# KiCad board TooManyKeys_fulldraft1.kicad_pcb
title: toomanykeys; date: 2025-06-05; rev: 0.1; company: huntercook
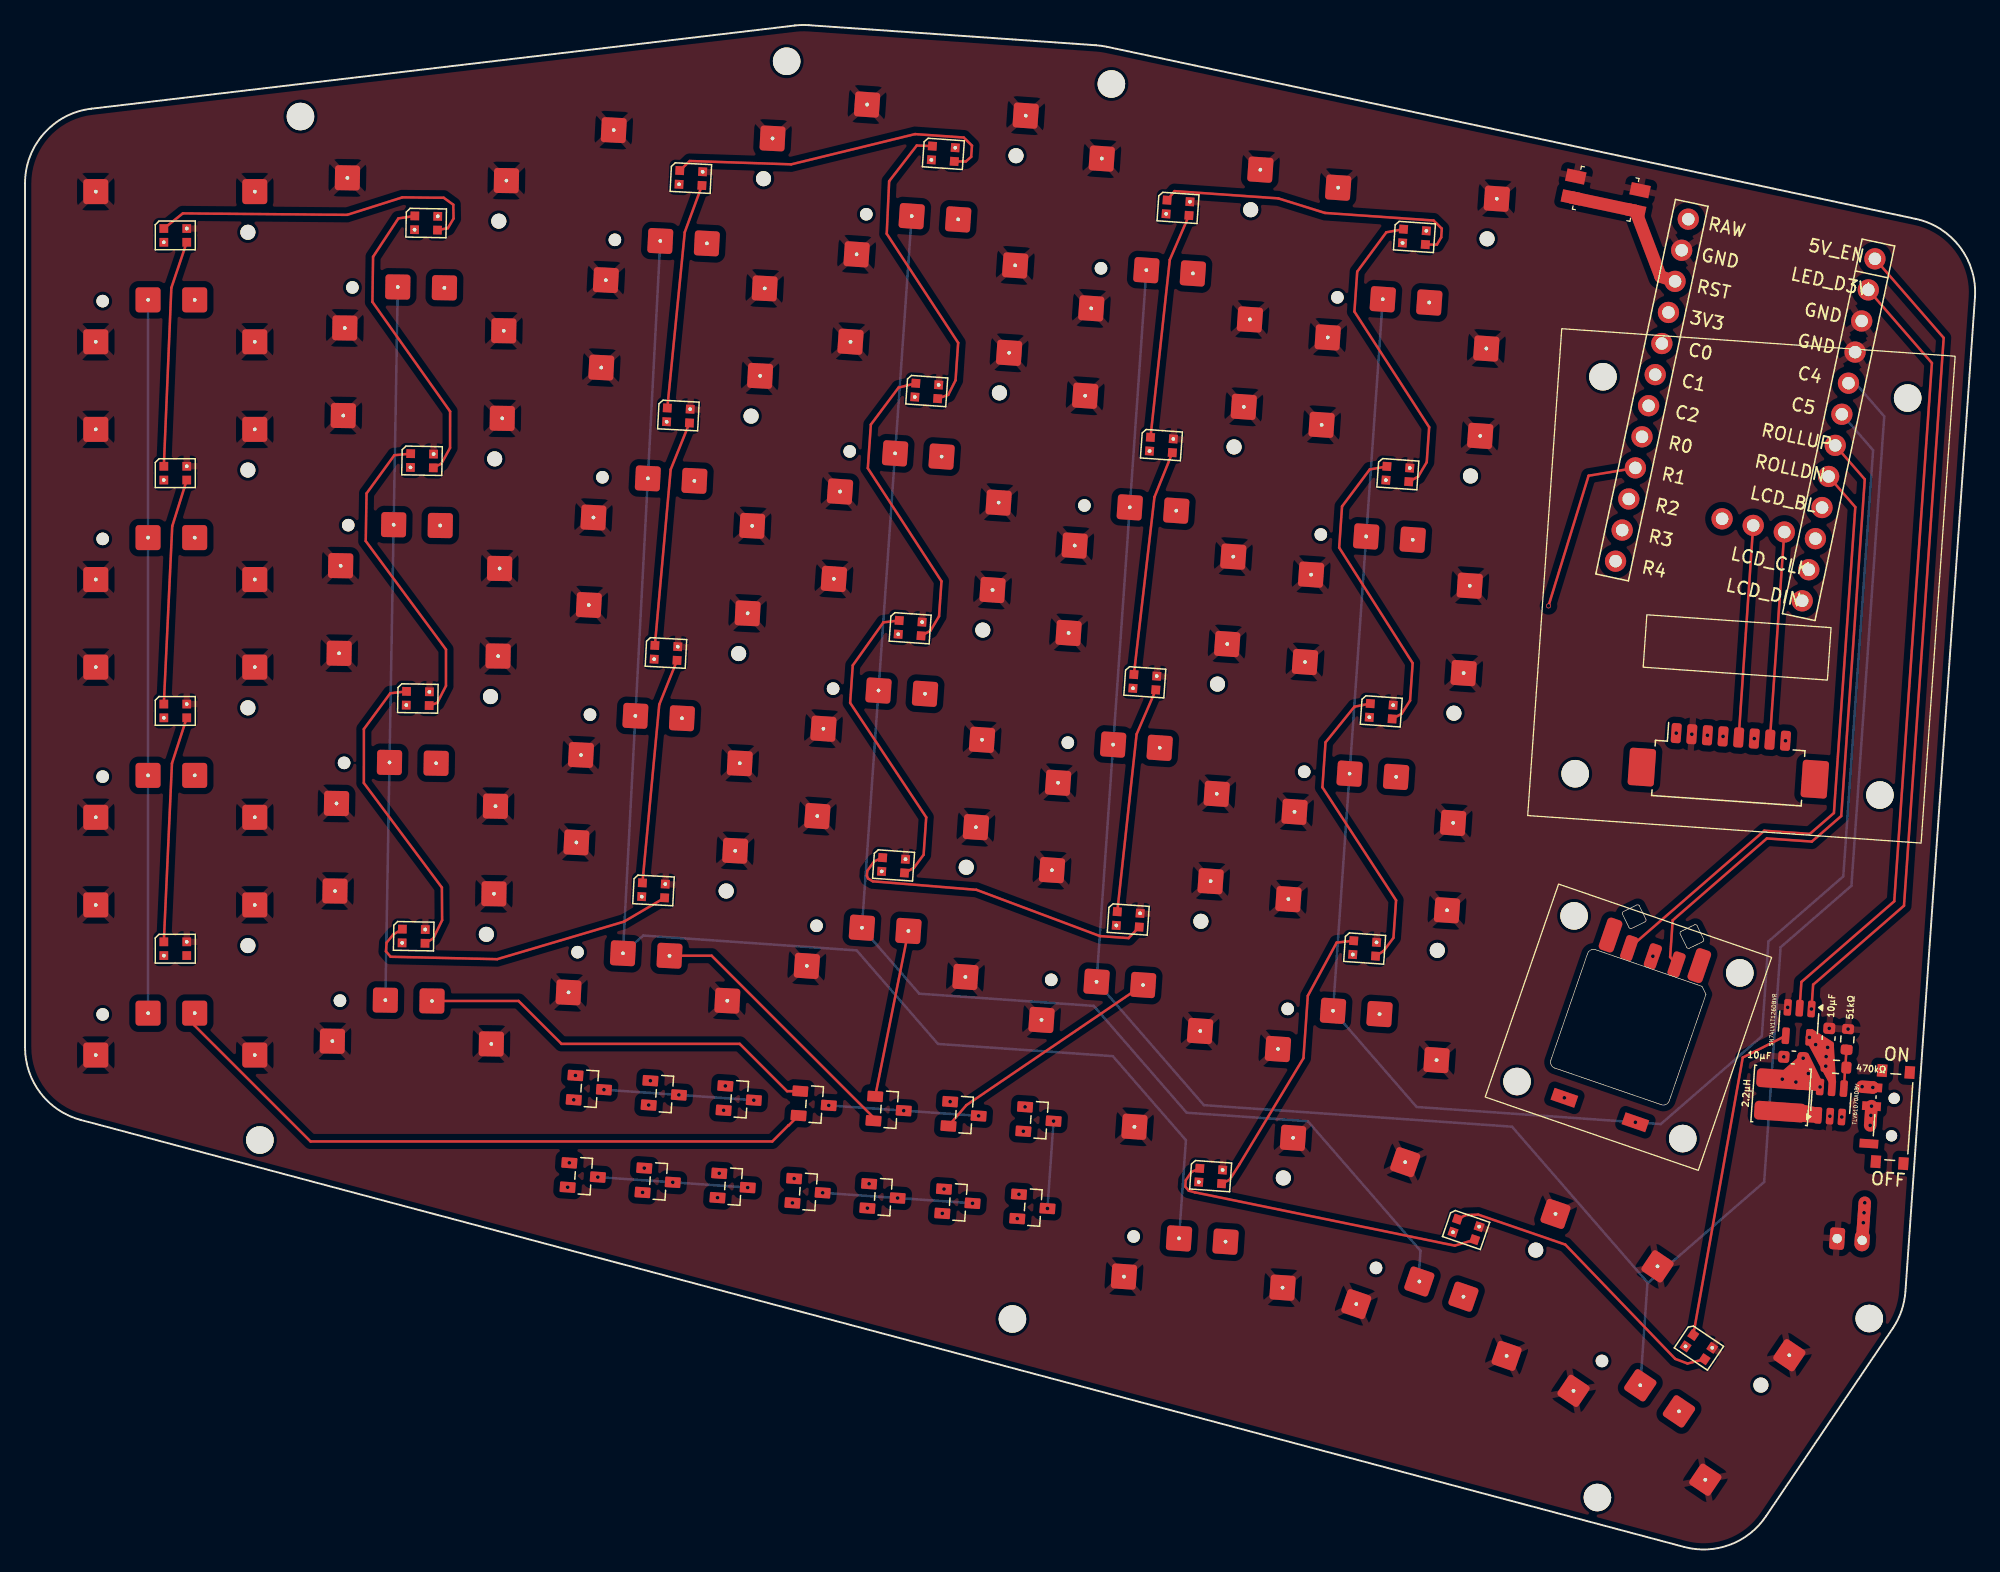
[diagram p0: board, top side]
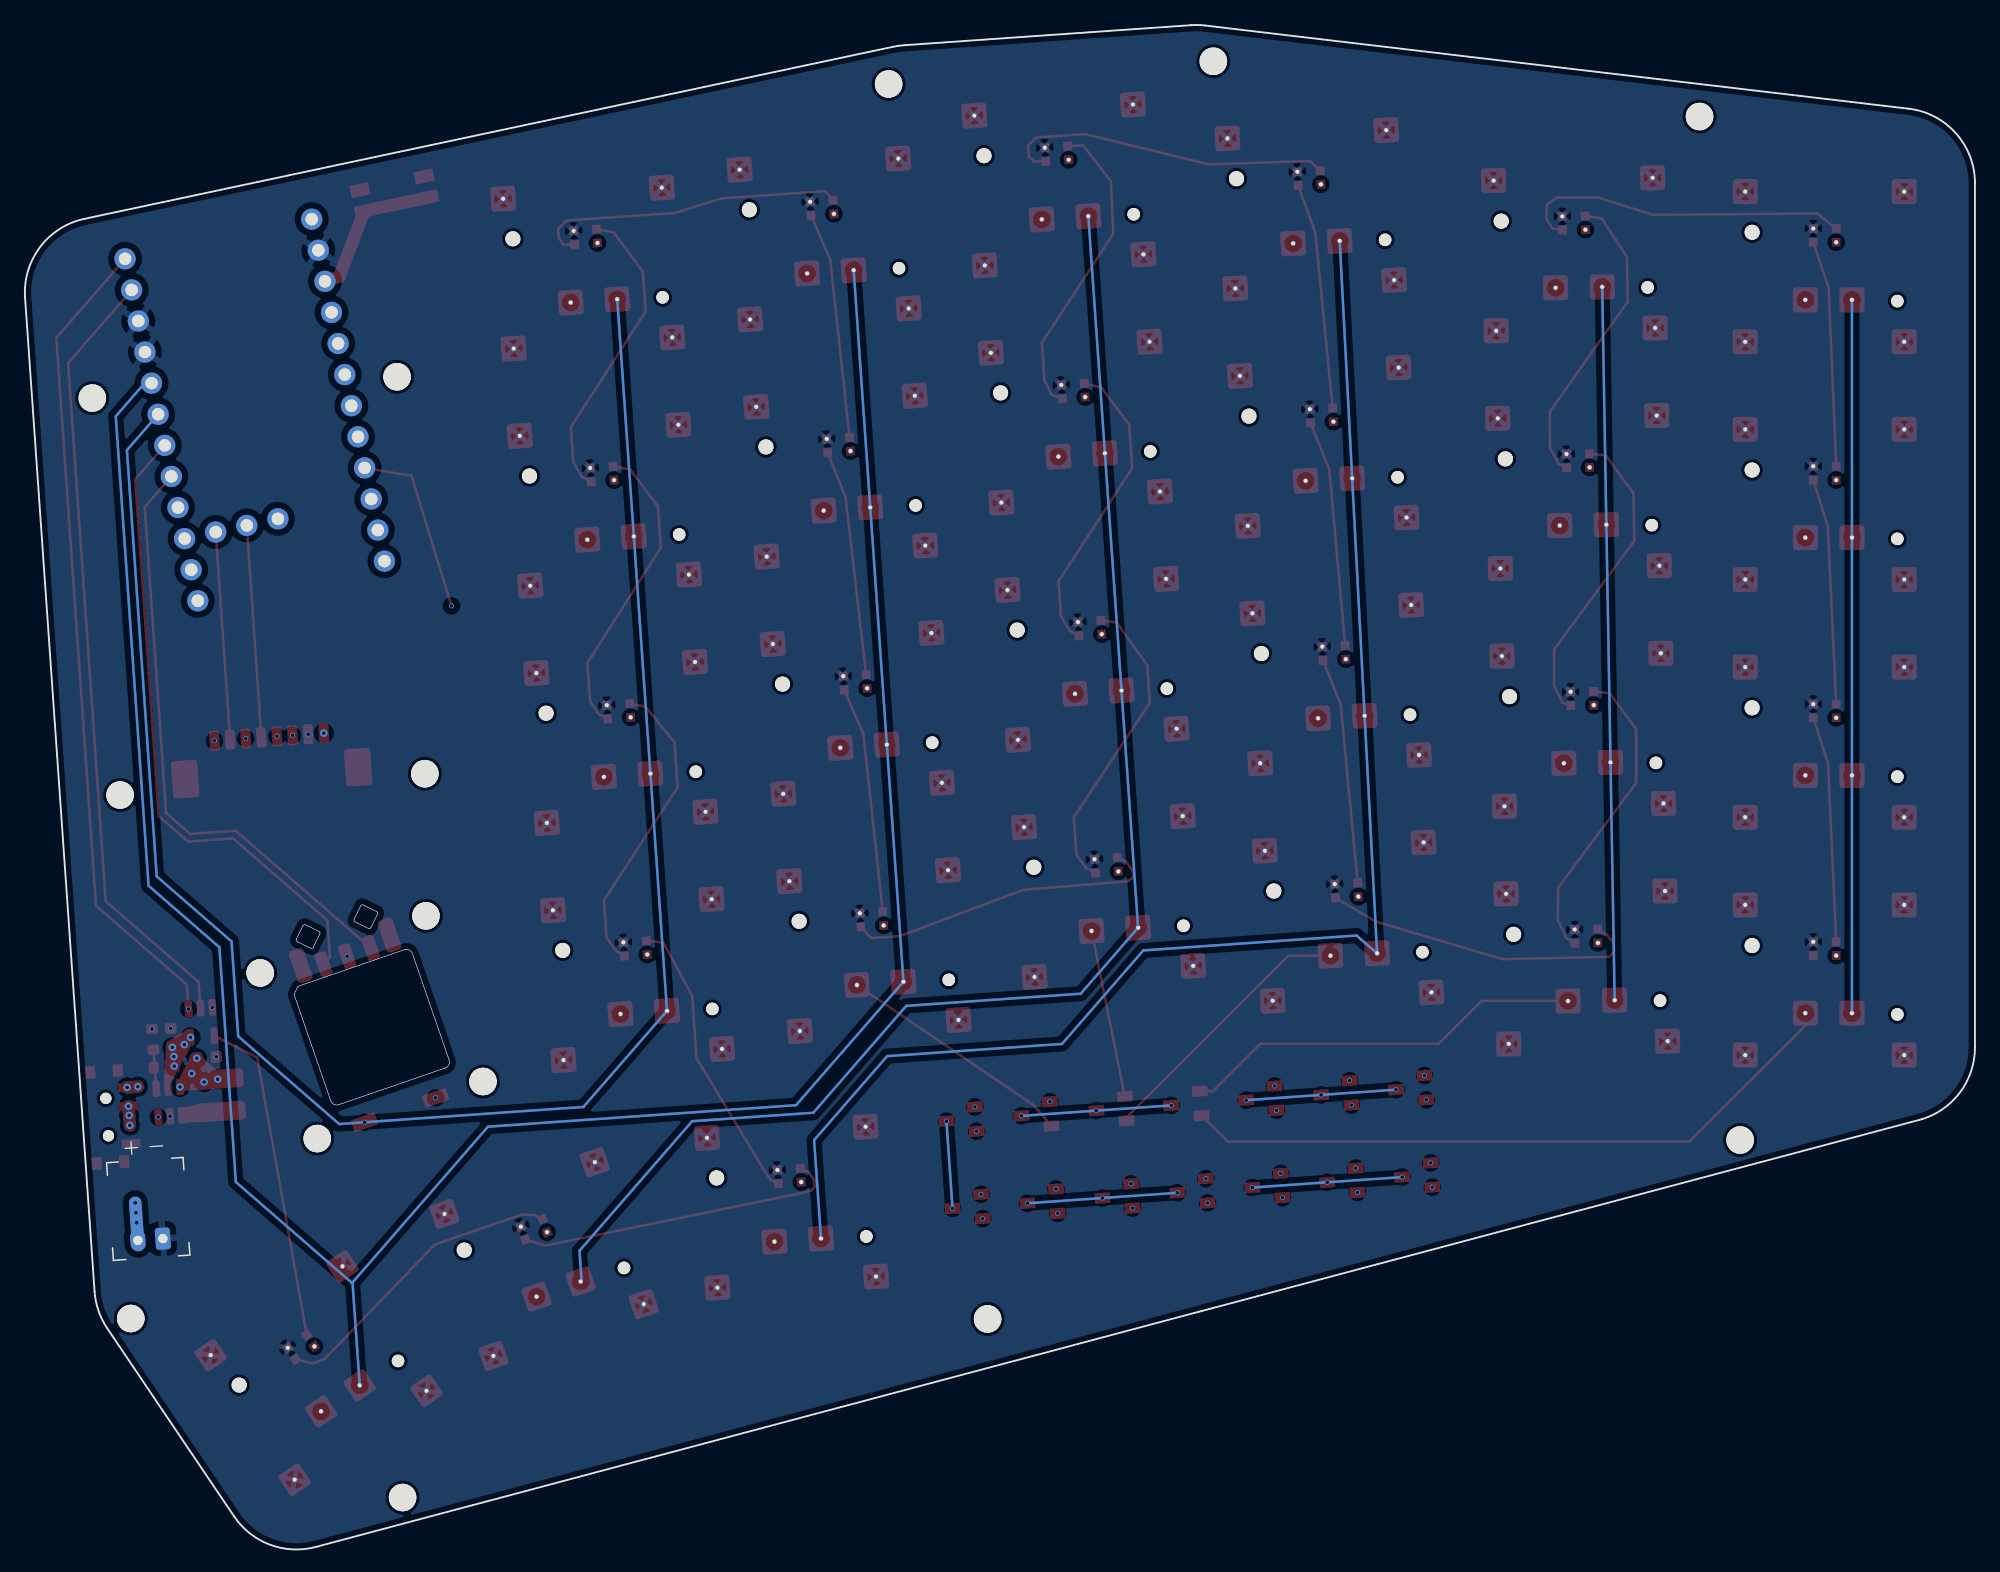
[diagram p1: board, bottom side, seen from below]

Outline 155.76 x 121.82 mm; copper layers: Top, In1.Cu, In2.Cu, In3.Cu, In4.Cu, Bottom. Coordinates in mm from the lower left corner of the outline.
Outline path: 0,109.18 arc(1.52,113.16) 5.3,115.14 61.48,121.78 arc(62.04,121.82) 62.6,121.81 85.56,120.2 arc(85.98,120.16) 86.39,120.09 151.01,106.33 arc(154.55,104.07) 155.75,100.05 150.19,20.61 arc(149.88,19.08) 149.18,17.67 139.05,2.65 arc(136.18,0.38) 132.53,0.2 4.46,34.32 arc(1.24,36.47) 0,40.12 0,109.18
Stack: Top 0.035mm / dielectric 0.1mm FR4 er 4.5 / In1.Cu 0.035mm / dielectric 0.535mm FR4 er 4.5 / In2.Cu 0.035mm / dielectric 0.1mm FR4 er 4.5 / In3.Cu 0.035mm / dielectric 0.535mm FR4 er 4.5 / In4.Cu 0.035mm / dielectric 0.1mm FR4 er 4.5 / Bottom 0.035mm

## Placement (name value [footprint] x y rotation side)
C1  10μF  [C_0603_1608Metric]  141.25 39.31 176 top
C2  10μF  [C_0603_1608Metric]  144.06 40.87 86 top
CONN1  -  [Molex_PicoBlade_53261-0871_1x08-1MP_P1.25mm_Horizontal]  136.08 62.54 356 top
D1  BAV70  [BAV70 SOT23]  44.58 29.84 266 top
D2  BAV70  [BAV70 SOT23]  50.57 29.42 266 top
D3  BAV70  [BAV70 SOT23]  56.55 29.01 266 top
D4  BAV70  [BAV70 SOT23]  62.54 28.59 266 top
D5  BAV70  [BAV70 SOT23]  68.52 28.17 266 top
D6  BAV70  [BAV70 SOT23]  74.51 27.75 266 top
D7  BAV70  [BAV70 SOT23]  45.07 36.83 266 top
D8  BAV70  [BAV70 SOT23]  51.05 36.41 266 top
D9  BAV70  [BAV70 SOT23]  57.04 35.99 266 top
D10  BAV70  [BAV70 SOT23]  63.02 35.57 266 top
D11  BAV70  [BAV70 SOT23]  69.01 35.15 266 top
D12  BAV70  [BAV70 SOT23]  74.99 34.73 266 top
D13  BAV70  [BAV70 SOT23]  80.98 34.31 266 top
D14  BAV70  [BAV70 SOT23]  80.49 27.33 266 top
JST1  -  [battery_connector_jst_ph_2]  145.74 24.77 176 bottom
L1  2.2μH  [L_CJIANG_FTC404030S_4.1x4.1x3.0_SMD]  140.26 36.29 266 top
LCD1  -  [LCD_1.69_Waveshare]  137.09 77 176 top
LED1  -  [LED_WS2812B-2020_PLCC4_2.0x2.0mm]  12 48.01 0 top
LED2  -  [LED_WS2812B-2020_PLCC4_2.0x2.0mm]  12 67.01 0 top
LED3  -  [LED_WS2812B-2020_PLCC4_2.0x2.0mm]  12 86.01 0 top
LED4  -  [LED_WS2812B-2020_PLCC4_2.0x2.0mm]  12 105.01 0 top
LED5  -  [LED_WS2812B-2020_PLCC4_2.0x2.0mm]  31.04 49.01 359 top
LED6  -  [LED_WS2812B-2020_PLCC4_2.0x2.0mm]  31.38 68.01 359 top
LED7  -  [LED_WS2812B-2020_PLCC4_2.0x2.0mm]  31.71 87 359 top
LED8  -  [LED_WS2812B-2020_PLCC4_2.0x2.0mm]  32.04 106 359 top
LED9  -  [LED_WS2812B-2020_PLCC4_2.0x2.0mm#2]  50.2 52.68 357 top
LED10  -  [LED_WS2812B-2020_PLCC4_2.0x2.0mm#2]  51.19 71.65 357 top
LED11  -  [LED_WS2812B-2020_PLCC4_2.0x2.0mm#2]  52.19 90.62 357 top
LED12  -  [LED_WS2812B-2020_PLCC4_2.0x2.0mm#2]  53.18 109.6 357 top
LED13  -  [LED_WS2812B-2020_PLCC4_2.0x2.0mm]  69.37 54.67 356 top
LED14  -  [LED_WS2812B-2020_PLCC4_2.0x2.0mm]  70.7 73.63 356 top
LED15  -  [LED_WS2812B-2020_PLCC4_2.0x2.0mm]  72.02 92.58 356 top
LED16  -  [LED_WS2812B-2020_PLCC4_2.0x2.0mm]  73.35 111.54 356 top
LED17  -  [LED_WS2812B-2020_PLCC4_2.0x2.0mm]  88.12 50.36 356 top
LED18  -  [LED_WS2812B-2020_PLCC4_2.0x2.0mm]  89.44 69.31 356 top
LED19  -  [LED_WS2812B-2020_PLCC4_2.0x2.0mm]  90.77 88.26 356 top
LED20  -  [LED_WS2812B-2020_PLCC4_2.0x2.0mm]  92.09 107.22 356 top
LED21  -  [LED_WS2812B-2020_PLCC4_2.0x2.0mm]  107 48.03 356 top
LED22  -  [LED_WS2812B-2020_PLCC4_2.0x2.0mm]  108.33 66.99 356 top
LED23  -  [LED_WS2812B-2020_PLCC4_2.0x2.0mm]  109.65 85.94 356 top
LED24  -  [LED_WS2812B-2020_PLCC4_2.0x2.0mm]  110.98 104.89 356 top
LED25  -  [LED_WS2812B-2020_PLCC4_2.0x2.0mm]  94.7 29.85 356 top
LED26  -  [LED_WS2812B-2020_PLCC4_2.0x2.0mm]  115.1 25.58 341 top
LED27  -  [LED_WS2812B-2020_PLCC4_2.0x2.0mm]  133.7 16.18 326 top
MCU1  -  [mcu_nice_nano]  137.66 92.3 348 top
MH1  -  [mounting_hole_npth]  22 114.51 0 top
MH2  -  [mounting_hole_npth]  18.76 32.72 359 top
MH3  -  [mounting_hole_npth]  60.83 118.93 356 top
MH4  -  [mounting_hole_npth]  86.77 117.11 356 top
MH5  -  [mounting_hole_npth]  78.87 18.42 356 top
MH6  -  [mounting_hole_npth]  125.59 4.15 326 top
MH7  -  [mounting_hole_npth]  147.3 18.46 326 top
PWR1  -  [power_switch_smd_side]  149.16 34.56 356 top
R1  470kΩ  [R_0603_1608Metric]  144.65 38.57 356 top
R2  51kΩ  [R_0603_1608Metric]  145.55 40.77 86 top
RE1  -  [CKW12]  128.07 41.74 71 top
RST1  -  [reset_switch_smd_side]  126.25 108.34 348 top
S1  -  [PG1316S]  12 45.51 0 top
S2  -  [PG1316S]  12 64.51 0 top
S3  -  [PG1316S]  12 83.51 0 top
S4  -  [PG1316S]  12 102.51 0 top
S5  -  [PG1316S]  31 46.51 359 top
S6  -  [PG1316S]  31.33 65.51 359 top
S7  -  [PG1316S]  31.66 84.5 359 top
S8  -  [PG1316S]  31.99 103.5 359 top
S9  -  [PG1316S]  50.07 50.18 357 top
S10  -  [PG1316S]  51.06 69.15 357 top
S11  -  [PG1316S]  52.06 88.13 357 top
S12  -  [PG1316S]  53.05 107.1 357 top
S13  -  [PG1316S]  69.2 52.18 356 top
S14  -  [PG1316S]  70.52 71.13 356 top
S15  -  [PG1316S]  71.85 90.09 356 top
S16  -  [PG1316S]  73.17 109.04 356 top
S17  -  [PG1316S]  87.94 47.86 356 top
S18  -  [PG1316S]  89.27 66.82 356 top
S19  -  [PG1316S]  90.59 85.77 356 top
S20  -  [PG1316S]  91.92 104.72 356 top
S21  -  [PG1316S]  106.83 45.54 356 top
S22  -  [PG1316S]  108.15 64.49 356 top
S23  -  [PG1316S]  109.48 83.45 356 top
S24  -  [PG1316S]  110.8 102.4 356 top
S25  -  [PG1316S]  94.53 27.35 356 top
S26  -  [PG1316S]  114.29 23.21 341 top
S27  -  [PG1316S]  132.3 14.1 326 top
U1  TLV61070ADBV  [SOT-23-6]  144.24 35.76 86 top
U2  SN74LV1T126DBVR  [SOT-23-5]  141.66 42.12 266 top

## Library data of the parts
C1 C2 = -: Description: Unpolarized capacitor
L1 = -: Description: Inductor
R1 R2 = -: Description: Resistor
U1 = -: Datasheet: https://www.ti.com/lit/ds/symlink/tlv61070a.pdf; Description: Boost Converter, 2.5A switch current limit, 2.2-5.5V Output Voltage, 0.5-5.5V Input Voltage, SOT-23-6
U2 = -: Datasheet: http://www.ti.com/lit/ds/symlink/sn74lvc1g125.pdf; Description: Single Buffer Gate Tri-State, Low-Voltage CMOS, SOT-23-5

## Footprints (pads in the part's own frame, mm; a bottom-side part is the same pattern mirrored in y, then rotated)
battery_connector_jst_ph_2
  rrect 1.2x1.75 hole 0.75: 1(1,0)
  oval 1.2x1.75 hole 0.75: 2(-1,0)
BAV70 SOT23
  rrect 0.85x1.25 smd: 1(-0.975,-1.175) 2(0.975,-1.175) 3(0,1.175)
C_0603_1608Metric
  rrect 0.9x0.95 smd: 1(-0.775,0) 2(0.775,0)
CKW12
  round 2.2 hole 2.2 unplated: (-7,-7) (-7,7) (7,-7) (7,7)
  rrect 2.7x1.25 smd: (6.5,3.75) (6.5,-3.75)
  rrect 2x1 smd: A(6,-2) B(6,0) C(6,2)
  rect 1x2 smd: S1(-7,-3) S2(-7,3)
L_CJIANG_FTC404030S_4.1x4.1x3.0_SMD
  rrect 1.5x4.1 smd: 1(-1.3,0) 2(1.3,0)
LCD_1.69_Waveshare
  round 2.2 hole 2.2 unplated: (-12.2,-15.9) (-12.2,15.9) (12.2,-15.9) (12.2,15.9)
LED_WS2812B-2020_PLCC4_2.0x2.0mm
  rect 0.7x0.7 smd: 1(-0.915,0.55) 2(-0.915,-0.55) 3(0.915,-0.55) 4(0.915,0.55)
  round 0.4 hole 0.3: 2(-0.915,-0.55) 4(0.915,0.55)
LED_WS2812B-2020_PLCC4_2.0x2.0mm#2
  rect 0.7x0.7 smd: 1(-0.915,0.55) 2(-0.915,-0.55) 3(0.915,-0.55) 4(0.915,0.55)
  round 0.4 hole 0.3: 2(-0.915,-0.55) 4(0.915,0.55)
mcu_nice_nano
  round 1.7 hole 1: 1(7.62,12.7) 2(7.62,10.16) 3(7.62,7.62) 4(7.62,5.08) 5(7.62,2.54) 6(7.62,0) 7(7.62,-2.54) 8(7.62,-5.08) 9(7.62,-7.62) 10(7.62,-10.16) 11(7.62,-12.7) 12(7.62,-15.24) 13(-7.62,-15.24) 14(-7.62,-12.7) 15(-7.62,-10.16) 16(-7.62,-7.62) 17(-7.62,-5.08) 18(-7.62,-2.54) 19(-7.62,0) 20(-7.62,2.54) 21(-7.62,5.08) 22(-7.62,7.62) 23(-7.62,10.16) 24(-7.62,12.7) 25(5.08,-10.16) 26(2.54,-10.16) 27(0,-10.16)
Molex_PicoBlade_53261-0871_1x08-1MP_P1.25mm_Horizontal
  rrect 0.8x1.6 smd: 1(-4.375,2.4) 2(-3.125,2.4) 3(-1.875,2.4) 4(-0.625,2.4) 5(0.625,2.4) 6(1.875,2.4) 7(3.125,2.4) 8(4.375,2.4)
  rrect 2.1x3 smd: MP(-6.925,-0.5) MP(6.925,-0.5)
mounting_hole_npth
  round 2.2 hole 2.2 unplated: (0,0)
PG1316S
  round 0.4 hole 0.3: (-6.35,6) (-6.35,-6) (-2.175,-2.65) (1.55,-2.65) (6.35,6) (6.35,-6)
  round 1 hole 1 unplated: (-5.8,-2.75)
  round 1.2 hole 1.2 unplated: (5.8,2.75)
  rrect 2x2 smd: 1(-2.175,-2.65) 2(1.55,-2.65) 3(-6.35,6) 3(-6.35,-6) 3(6.35,6) 3(6.35,-6)
power_switch_smd_side
  rect 0.8x1 smd: (-1.085,3.65) (-1.085,-3.65) (1.125,3.65) (1.125,-3.65)
  round 0.9 hole 0.9 unplated: (0.025,1.5) (0.025,-1.5)
  rect 1.5x0.7 smd: 1(-1.735,-2.25) 2(-1.735,0.75) 3(-1.735,2.25)
R_0603_1608Metric
  rrect 0.8x0.95 smd: 1(-0.825,0) 2(0.825,0)
reset_switch_smd_side
  rect 1.55x1 smd: 1(2.625,0.85) 2(2.625,-0.85) 3(-2.625,0.85) 4(-2.625,-0.85)
SOT-23-5
  rrect 1.325x0.6 smd: 1(-1.137,0.95) 2(-1.137,0) 3(-1.137,-0.95) 4(1.137,-0.95) 5(1.137,0.95)
SOT-23-6
  rrect 1.325x0.6 smd: 1(-1.137,0.95) 2(-1.137,0) 3(-1.137,-0.95) 4(1.137,-0.95) 5(1.137,0) 6(1.137,0.95)

## Nets
3V3: CONN1.1 MCU1.21
5V: C2.1 LED1.2 LED2.2 LED3.2 LED4.2 LED5.2 LED6.2 LED7.2 LED8.2 LED9.2 LED10.2 LED11.2 LED12.2 LED13.2 LED14.2 LED15.2 LED16.2 LED17.2 LED18.2 LED19.2 LED20.2 LED21.2 LED22.2 LED23.2 LED24.2 LED25.2 LED26.2 LED27.2 R1.1 U1.5 U2.5
5V_EN: MCU1.1 U1.3 U2.1
GND: C1.2 C2.2 CONN1.2 JST1.1 LED1.4 LED2.4 LED3.4 LED4.4 LED5.4 LED6.4 LED7.4 LED8.4 LED9.4 LED10.4 LED11.4 LED12.4 LED13.4 LED14.4 LED15.4 LED16.4 LED17.4 LED18.4 LED19.4 LED20.4 LED21.4 LED22.4 LED23.4 LED24.4 LED25.4 LED26.4 LED27.4 MCU1.3 MCU1.4 MCU1.23 R2.2 RE1.B RST1.1 RST1.3 S1.3 S2.3 S3.3 S4.3 S5.3 S6.3 S7.3 S8.3 S9.3 S10.3 S11.3 S12.3 S13.3 S14.3 S15.3 S16.3 S17.3 S18.3 S19.3 S20.3 S21.3 S22.3 S23.3 S24.3 S25.3 S26.3 S27.3 U1.2 U2.3
BAT_P: JST1.2 PWR1.2
BOOST_FB: R1.2 R2.1 U1.4
BOOST_SW: L1.2 U1.1
C0: MCU1.20 S1.1 S2.1 S3.1 S4.1
C0|GND|finger_outer_bottom: S1.
C0|GND|finger_outer_home: S2.
C0|GND|finger_outer_num: S4.
C0|GND|finger_outer_top: S3.
C1: MCU1.19 S5.1 S6.1 S7.1 S8.1
C1|GND|finger_pinky_bottom: S5.
C1|GND|finger_pinky_home: S6.
C1|GND|finger_pinky_num: S8.
C1|GND|finger_pinky_top: S7.
C2: MCU1.18 S9.1 S10.1 S11.1 S12.1 S25.1
C2|GND|finger_ring_bottom: S9.
C2|GND|finger_ring_home: S10.
C2|GND|finger_ring_num: S12.
C2|GND|finger_ring_top: S11.
C2|GND|thumb_near_fan: S25.
C3: MCU1.27 S13.1 S14.1 S15.1 S16.1 S26.1
C3|GND|finger_middle_bottom: S13.
C3|GND|finger_middle_home: S14.
C3|GND|finger_middle_num: S16.
C3|GND|finger_middle_top: S15.
C3|GND|thumb_mid_fan: S26.
C4: MCU1.5 S17.1 S18.1 S19.1 S20.1 S27.1
C4|GND|finger_index_bottom: S17.
C4|GND|finger_index_home: S18.
C4|GND|finger_index_num: S20.
C4|GND|finger_index_top: S19.
C4|GND|thumb_far_fan: S27.
C5: MCU1.6 RE1.S1 S21.1 S22.1 S23.1 S24.1
C5|GND|finger_inner_bottom: S21.
C5|GND|finger_inner_home: S22.
C5|GND|finger_inner_num: S24.
C5|GND|finger_inner_top: S23.
finger_index_bottom: D12.2 S17.2
finger_index_home: D9.2 S18.2
finger_index_num: D3.2 S20.2
finger_index_top: D6.2 S19.2
finger_inner_bottom: D12.1 S21.2
finger_inner_home: D9.1 S22.2
finger_inner_num: D3.1 S24.2
finger_inner_top: D6.1 S23.2
finger_middle_bottom: D11.1 S13.2
finger_middle_home: D8.1 S14.2
finger_middle_num: D2.1 S16.2
finger_middle_top: D5.1 S15.2
finger_outer_bottom: D10.2 S1.2
finger_outer_home: D7.2 S2.2
finger_outer_num: D1.2 S4.2
finger_outer_top: D4.2 S3.2
finger_pinky_bottom: D10.1 S5.2
finger_pinky_home: D7.1 S6.2
finger_pinky_num: D1.1 S8.2
finger_pinky_top: D4.1 S7.2
finger_ring_bottom: D11.2 S9.2
finger_ring_home: D8.2 S10.2
finger_ring_num: D2.2 S12.2
finger_ring_top: D5.2 S11.2
LCD_BL: CONN1.8 MCU1.9
LCD_CLK: CONN1.4 MCU1.11
LCD_CS: CONN1.5 MCU1.26
LCD_DC: CONN1.6 MCU1.10
LCD_DIN: CONN1.3 MCU1.12
LCD_RST: CONN1.7 MCU1.25
LED_1: LED26.1 LED27.3
LED_2: LED25.1 LED26.3
LED_3: LED21.1 LED25.3
LED_4: LED21.3 LED22.1
LED_5: LED22.3 LED23.1
LED_6: LED23.3 LED24.1
LED_7: LED20.1 LED24.3
LED_8: LED19.1 LED20.3
LED_9: LED18.1 LED19.3
LED_10: LED17.1 LED18.3
LED_11: LED13.1 LED17.3
LED_12: LED13.3 LED14.1
LED_13: LED14.3 LED15.1
LED_14: LED15.3 LED16.1
LED_15: LED12.1 LED16.3
LED_16: LED11.1 LED12.3
LED_17: LED10.1 LED11.3
LED_18: LED9.1 LED10.3
LED_19: LED5.1 LED9.3
LED_20: LED5.3 LED6.1
LED_21: LED6.3 LED7.1
LED_22: LED7.3 LED8.1
LED_23: LED4.1 LED8.3
LED_24: LED3.1 LED4.3
LED_25: LED2.1 LED3.3
LED_26: LED1.1 LED2.3
LED_27: LED1.3
LED_D3V: MCU1.2 U2.2
LED_D5V: LED27.1 U2.4
R0: D1.3 D2.3 D3.3 MCU1.17
R1: D4.3 D5.3 D6.3 MCU1.16
R2: D7.3 D8.3 D9.3 MCU1.15
R3: D10.3 D11.3 D12.3 MCU1.14
R4: D13.3 D14.3 MCU1.13
RAW: C1.1 L1.1 MCU1.24 PWR1.3 U1.6
ROLLDN: MCU1.8 RE1.C
roller: D13.1 RE1.S2
ROLLUP: MCU1.7 RE1.A
RST: MCU1.22 RST1.2 RST1.4
thumb_far_fan: D14.1 S27.2
thumb_mid_fan: D14.2 S26.2
thumb_near_fan: D13.2 S25.2

Pads without a net: CONN1 MP; PWR1 1

## Via types
v1: diameter 0.4, hole 0.3, Top to Bottom, 53 vias
v2: diameter 0.6, hole 0.3, Top to Bottom, 19 vias

## Routing (per net, layer and track width the routed paths; a pad name or vN(x,y) marks a point on that pad's centre or on a via; arc(x,y) is an arc through that point)
3V3: length 35.2
  In2.Cu w0.5: MCU1.21 132.61,98.57 134.04,96.37 v2(131.89,65.24)
5V: length 3.1
  Top w0.5: 143.81,40.32 v2(143.98,40.12) C2.1 ; v2(142.53,40.92) v2(143.03,40.35) v2(143.86,39.39) 143.88,39.36 v2(143.83,38.63)
5V_EN: length 75.5
  Top w0.2: v1(142.69,43.19) 142.82,45.14 150.08,51.45 153.25,96.82 MCU1.1
  In3.Cu w0.2: v1(145.11,34.56) 144.83,42.29 v1(142.69,43.19)
GND:
  vias: v1(130.02,47.41) v1(133.13,65.15) v1(140.48,39.37) v1(140.79,43.32) v1(144.11,41.64) v1(144.16,34.63) v1(145.61,41.59)
BAT_P: length 18.3
  Top w1: v2(147.38,33.89) v2(147.49,35.43) ; v2(146.95,27.71) JST1.2
  In2.Cu w1: JST1.2 v2(146.83,26.11) v2(146.89,26.91) v2(146.95,27.71) v2(147.38,33.89) v2(147.43,34.69) v2(147.49,35.43)
  Bottom w1: v2(146.95,27.71) JST1.2
BOOST_FB: length 3.2
  Top w0.2: U1.4 145.49,39.93 R2.1
  Top w0.8: R2.1 145.53,39.9
C0: length 195.9
  In2.Cu w0.2: S4.1 8.89,108.71 32.99,115.21 73.69,117.41 118.69,110.81 MCU1.20
  Bottom w0.2: S4.1 S1.1
C1: length 174.9
  In2.Cu w0.2: S8.1 29.79,107.71 40.39,114.11 73.49,116.81 117.99,110.31 MCU1.19
  Bottom w0.2: S5.1 S8.1
C2: length 198
  In2.Cu w0.2: S11.1 54.89,89.21 MCU1.18
  Bottom w0.2: S12.1 S9.1 49.39,49.06 66.43,47.87 72.92,40.4 86.89,39.42 92.72,32.71 S25.1
C3: length 202.2
  In2.Cu w0.2: MCU1.27 135.03,74.9 145.65,62.68 144.72,49.31 135.75,41.52 135.02,31.05 124.56,21.95 112.92,22.77 S26.1
  Bottom w0.2: S16.1 S13.1 71.43,44.42 85.36,43.44 92.79,34.9 102.46,34.23 111.46,23.87 111.3,21.5 S26.1
C4: length 199.7
  Bottom w0.2: S20.1 S17.1 94.16,35.51 118.77,33.79 129.59,21.34 ; 129.59,21.34 S27.1 ; 129.59,21.34 129.67,21.33 138.91,29.37 140.22,48.13 145.88,53.04 148.5,90.55 146.23,93.16 MCU1.5
C5: length 150.9
  Bottom w0.2: S24.1 S21.1 111.15,35.36 v1(128.63,34.14) 130.66,34 138.72,41.01 139.25,48.59 145.23,53.79 147.61,87.85 MCU1.6
finger_index_bottom: length 19.3
  Top w0.2: S17.2 75.19,35.51 D12.2
finger_index_home: length 52.1
  In2.Cu w0.2: v1(55.8,35.1) 54.49,36.51 54.59,37.81 61.49,51.01 71.29,61.11 81.59,62.71 86.99,62.31 S18.2
finger_index_num: length 155.2
  In3.Cu w0.2: v1(55.31,28.12) 55.31,27.77 57.55,25.52 74.54,20.91 96.49,20.91 119.39,43.81 119.39,91.51 116.99,93.91 98.69,93.91 93.28,99.31 S20.2
finger_index_top: length 114.2
  In3.Cu w0.2: S19.2 91.95,79.44 96.49,74.91 114.39,74.91 118.29,71.01 118.29,46.61 106.69,35.01 94.99,35.01 89.89,29.91 72.79,29.91 72.19,29.31 72.19,27.61 72.89,26.91 73.22,26.91 v1(73.27,26.86)
finger_inner_bottom: length 35
  In2.Cu w0.2: S21.2 v1(73.89,35.79)
finger_inner_home: length 62.8
  In2.Cu w0.2: v1(55.93,37.04) 57.39,38.01 86.09,39.51 S22.2
finger_inner_num: length 142.8
  In3.Cu w0.2: v1(55.45,30.06) 53.69,28.81 53.59,27.31 54.99,25.81 74.49,20.51 96.89,20.51 119.99,43.61 119.99,96.11 116.44,99.65 S24.2
finger_inner_top: length 95.5
  In3.Cu w0.2: v1(73.4,28.8) 73.8,29.21 91.09,29.21 93.29,27.01 101.89,27.01 118.89,44.01 118.89,75.91 114.1,80.69 S23.2
finger_middle_bottom: length 13.5
  Top w0.2: S13.2 D11.1
finger_middle_home: length 37.9
  In2.Cu w0.2: v1(49.95,37.46) S14.2
finger_middle_num: length 175
  In3.Cu w0.2: S16.2 65.65,97.41 41.99,97.41 38.59,94.01 14.79,94.01 2.69,81.91 2.69,39.31 4.49,37.51 21.89,37.51 27.09,32.31 47.63,32.31 v1(49.46,30.48)
finger_middle_top: length 112.4
  In2.Cu w0.2: v1(67.42,29.22) 65.79,25.31 54.59,23.91 44.89,25.31 42.29,27.01 41.09,30.81 42.76,76.67 arc(43.01,77.31) 43.61,77.63 67.99,81.21 S15.2
finger_outer_bottom: length 53.9
  Top w0.2: D10.2 61.01,33.91 60.99,33.91 59.69,32.61 22.8,32.61 13.55,41.86 S1.2
finger_outer_home: length 49.5
  In3.Cu w0.2: S2.2 13.55,47.44 25.06,35.94 v1(43.83,35.94)
finger_outer_num: length 112.9
  In3.Cu w0.2: S4.2 13.54,99.86 0.89,87.21 0.89,38.71 3.89,35.71 21.29,35.71 28.04,28.95 v1(43.34,28.95)
finger_outer_top: length 100.3
  In3.Cu w0.2: v1(61.3,27.7) 61,27.7 55.89,32.81 27.29,32.81 22.09,38.01 11.99,38.01 8.09,41.91 8.09,75.4 S3.2
finger_pinky_bottom: length 32.4
  Top w0.2: S5.2 39.42,43.83 42.85,40.41 57.09,40.41 60.87,36.62 D10.1
finger_pinky_home: length 29.6
  In3.Cu w0.2: v1(43.96,37.88) 43.96,38.83 34.99,47.81 34.99,60.68 S6.2
finger_pinky_num: length 128.9
  In3.Cu w0.2: v1(43.48,30.9) 26.89,30.9 21.49,36.31 4.09,36.31 1.49,38.91 1.49,83.11 17.89,99.51 32.18,99.51 S8.2
finger_pinky_top: length 69.7
  In3.Cu w0.2: v1(61.43,29.64) 59.85,29.64 56.19,33.31 49.69,33.31 47.99,35.01 47.99,37.31 46.39,38.91 44.59,38.91 39.79,43.71 39.79,63.31 33.17,69.93 S7.2
finger_ring_bottom: length 21.9
  Top w0.2: D11.2 67.77,34.52 54.84,47.45 S9.2
finger_ring_home: length 34
  In2.Cu w0.2: v1(49.81,35.52) 46.79,38.11 45.99,55.11 S10.2
finger_ring_num: length 156.6
  In3.Cu w0.2: v1(49.32,28.53) 46.15,31.71 26.89,31.71 21.69,36.91 4.29,36.91 2.09,39.11 2.09,82.71 18.09,98.71 48.79,98.71 S12.2
finger_ring_top: length 93.4
  In2.Cu w0.2: S11.2 42.09,78.01 40.49,30.71 41.59,26.61 44.49,24.71 54.59,23.21 66.19,24.61 v1(67.28,27.28)
LCD_BL: length 21.4
  In3.Cu w0.2: v1(140.62,64.63) 140.79,67.07 145.01,70.75 145.71,80.76 MCU1.9
LCD_CLK: length 17.4
  In3.Cu w0.2: MCU1.11 143.83,76.74 143.65,74.25 135.8,67.42 v1(135.63,64.98)
LCD_CS: length 17
  Top w0.2: CONN1.5 MCU1.26
LCD_DC: length 19.4
  In3.Cu w0.2: MCU1.10 144.77,78.75 144.33,72.4 138.29,67.15 v1(138.12,64.8)
LCD_DIN: length 14.1
  In3.Cu w0.2: v1(134.38,65.06) 134.69,69.5 MCU1.12
LCD_RST: length 16.6
  Top w0.2: CONN1.7 MCU1.25
LED_1: length 24.2
  Top w0.2: LED26.1 115.07,26.73 116.07,26.76 123.02,24.37 131.81,15.23 132.78,14.86 LED27.3
LED_2: length 25.8
  Top w0.2: LED26.3 114.2,24.28 93.44,28.54 92.95,28.68 92.67,29 92.71,29.49 93.16,30.16 LED25.1
LED_3: length 23.3
  Top w0.2: LED21.1 104.76,48.5 102.46,44.25 102.11,39.26 97.01,30.8 96.22,29.55 LED25.3
LED_4: length 24.4
  Top w0.2: LED21.3 108.53,47.84 109.3,48.88 109.51,51.88 103.63,60.91 103.88,64.5 106.18,67.35 LED22.1
LED_5: length 24.4
  Top w0.2: LED23.1 107.41,86.31 105.2,83.35 104.97,80.06 110.84,70.83 110.63,67.84 109.95,66.78 LED22.3
LED_6: length 24.5
  Top w0.2: LED23.3 111.28,85.74 111.96,86.89 112.15,89.68 106.18,98.92 106.41,102.12 108.73,105.26 LED24.1
LED_7: length 25.1
  Top w0.2: LED20.1 91.82,108.55 100.1,107.97 103.83,106.81 112.51,106.2 113.16,105.55 113.11,104.85 112.77,104.28 LED24.3
LED_8: length 18.1
  Top w0.2: LED19.1 91.44,103.06 LED20.3
LED_9: length 18.1
  Top w0.2: LED18.1 90.21,84.1 LED19.3
LED_10: length 18.1
  Top w0.2: LED18.3 88.79,65.15 LED17.1
LED_11: length 25.1
  Top w0.2: LED13.1 67.83,54.99 67.27,54.23 67.24,53.83 67.33,53.62 67.71,53.4 75.99,52.72 85.85,49.02 88.15,48.86 LED17.3
LED_12: length 24.6
  Top w0.2: LED14.1 68.56,74.09 66.11,70.65 65.9,67.66 71.98,58.51 71.77,55.52 71,54.47 LED13.3
LED_13: length 24.4
  Top w0.2: LED15.1 69.77,92.85 67.56,89.9 67.32,86.4 73.2,77.37 73,74.58 72.32,73.42 LED14.3
LED_14: length 24.7
  Top w0.2: LED16.1 71.22,112.19 69.02,109.34 68.83,105.14 74.53,96.43 74.32,93.43 73.74,92.27 LED15.3
LED_15: length 26.6
  Top w0.2: LED12.1 53.09,110.96 61.19,110.69 71.09,113.11 74.98,112.83 75.63,112.19 75.57,111.29 75.14,110.92 LED16.3
LED_16: length 18.1
  Top w0.2: LED12.3 52.7,105.27 LED11.1
LED_17: length 18.1
  Top w0.2: LED11.3 51.57,86.3 LED10.1
LED_18: length 18.1
  Top w0.2: LED9.1 50.66,67.52 LED10.3
LED_19: length 25.8
  Top w0.2: LED9.3 47.84,50.17 37.71,47.17 29.2,47.37 28.83,47.79 28.88,48.49 29.43,49.16 LED5.1
LED_20: length 24.6
  Top w0.2: LED5.3 32.61,48.83 33.31,50.29 33.3,52.9 27.06,61.25 27.06,65.56 29.17,68.42 LED6.1
LED_21: length 24.8
  Top w0.2: LED6.3 32.92,67.66 33.62,69.01 33.62,71.92 27.21,80.59 27.28,84.39 29.5,87.44 LED7.1
LED_22: length 24.4
  Top w0.2: LED8.1 29.82,106.37 27.8,103.3 27.75,99.7 33.95,90.94 33.95,88.04 33.26,86.78 LED7.3
LED_23: length 26.8
  Top w0.2: LED4.1 12.6,106.77 25.73,106.65 30.14,108.05 33.44,108.02 34.2,107.47 34.23,106.36 33.77,105.59 LED8.3
LED_24: length 18.1
  Top w0.2: LED4.3 11.69,100.82 LED3.1
LED_25: length 18.1
  Top w0.2: LED3.3 11.76,81.77 LED2.1
LED_26: length 18.1
  Top w0.2: LED1.1 11.74,62.82 LED2.3
LED_D3V: length 62.8
  Top w0.2: U2.2 141.89,45.35 149.3,51.8 152.31,94.81 MCU1.2
LED_D5V: length 26.4
  Top w0.2: LED27.1 137.2,39.31 U2.4
R0: length 135.7
  In2.Cu w0.2: MCU1.17 126.29,89.01 111.29,77.91 90.89,72.11 68.39,71.01 51.39,68.11 43.89,54.01 42.39,41.81 42.49,35.21 v1(45.75,29.76)
  Bottom w0.2: v1(57.72,28.92) v1(45.75,29.76)
  vias: v1(51.74,29.34)
R1: length 102
  Top w0.2: MCU1.16 124.89,85.81 v1(121.69,75.41)
  In2.Cu w0.2: v1(69.69,28.09) 72.49,37.41 86.09,38.91 93.49,42.61 116.99,66.21 v1(121.69,75.41)
  Bottom w0.2: v1(75.68,27.67) v1(63.71,28.51)
R2: length 108.5
  In2.Cu w0.2: v1(52.23,36.33) 56.79,43.11 60.99,51.61 70.79,62.01 78.79,63.61 84.39,67.21 99.19,66.31 118.59,74.41 125.49,83.11 MCU1.15
  Bottom w0.2: v1(46.24,36.74) v1(58.21,35.91)
R3: length 91.8
  In2.Cu w0.2: v1(76.17,34.65) 79.19,36.01 100.69,38.91 109.59,41.51 114.99,47.21 125.09,80.81 MCU1.14
  Bottom w0.2: v1(64.2,35.49) v1(76.17,34.65)
  vias: v1(70.18,35.07)
R4: length 124
  In2.Cu w0.2: MCU1.13 126.09,61.81 128.39,59.31 141.39,57.61 143.89,53.71 143.59,49.51 135.19,42.31 132.99,36.41 129.79,32.31 116.79,31.41 104.19,23.01 91.49,22.31 v1(81.66,27.25)
  Bottom w0.2: v1(81.66,27.25) v1(82.15,34.23)
RAW: length 108.8
  Top w1: v2(140.36,37.58) 140.59,37.57 ; v2(140.36,37.58) 142.01,39.02 v2(142.03,39.26) ; v2(140.36,37.58) L1.1 ; v2(146.73,36.98) v2(147.59,36.92)
  In2.Cu w1: 137.9,107.82 150.1,105.22 154.56,100.1 150.57,43.14 147.86,40.78 v2(147.59,36.92) v2(146.73,36.98) v2(141.45,37.35) 140.5,37.42 v2(140.36,37.58) ; 137.9,107.82 135.84,108.25 MCU1.24 134.13,106.04 137.12,107.98 137.9,107.82 ; v2(143.37,36.96) v2(142.44,38.04) 141.98,38.57 v2(142.03,39.26)
ROLLDN: length 48.2
  Top w0.2: MCU1.8 146.19,83.3 144.48,58.85 142.56,57.18 138.92,57.44 RE1.C
roller: length 43.9
  In2.Cu w0.2: v1(79.88,35.37) 87.08,35.91 120.18,33.93 v1(122.95,36.09)
ROLLUP: length 51
  Top w0.2: MCU1.7 146.95,85.52 145.07,58.61 142.72,56.57 139.13,56.82 131.61,50.28 131.4,47.35 RE1.A
RST: length 12.1
  Top w1: MCU1.22 130.64,101.72 RST1.2 RST1.4
thumb_far_fan: length 62.8
  In2.Cu w0.2: v1(79.39,28.39) 78.28,27.75 77.94,26.44 81.55,20.2 127.04,8.1 S27.2
thumb_mid_fan: length 41
  In2.Cu w0.2: v1(79.25,26.44) 82.4,21.01 105.63,14.83 S26.2
thumb_near_fan: length 19.7
  In2.Cu w0.2: S25.2 94.57,26.88 81.52,30.35 v1(79.74,33.42)

## Copper pours and planes (outline as drawn; the poured copper is in the pictures)
5V on Top (solid shape): 144.19,37.31 142.47,40.5 142.74,41.48 144.37,40.46 144.55,37.34
5V on In2.Cu: 170.39,133.71 170.39,-11.29 -14.61,-11.29 -14.61,133.71
5V on In3.Cu: 170.39,133.71 170.39,-11.29 -14.61,-11.29 -14.61,133.71
GND on Top: 170.39,133.71 170.39,-11.29 -14.61,-11.29 -14.61,133.71
GND on Bottom: 170.39,133.71 170.39,-11.29 -14.61,-11.29 -14.61,133.71
GND on In1.Cu: 170.39,133.71 -14.61,133.71 -14.61,-11.29 170.39,-11.29
GND on In4.Cu: 170.39,133.71 -14.61,133.71 -14.61,-11.29 170.39,-11.29
BOOST_SW on Top (solid shape): 143.43,35.17 141.85,35.48 141.76,34.28 143.36,34.17
RAW on Top (solid shape): 141.7,39.55 141.51,36.86 143.51,36.72 143.36,37.53 142.4,39.5
RAW on In2.Cu (solid shape): 141.81,39.64 140.6,38.22 138.71,38.35 138.39,38.08 138.33,37.28 139.12,36.67 147.55,36.49 147.89,37.41 143.28,37.73 142.41,39.6
